# Altium PCB LC Agregation Boards v 1.1.PcbDoc
Units mm, origin at the board's own origin, x right, y up, seen from the top; angles counter-clockwise.
Board outline 40.19 x 30.2 mm, 2 copper layers (Top Layer, Bottom Layer); 5 components, 7 nets, 34 pads, 2 vias.
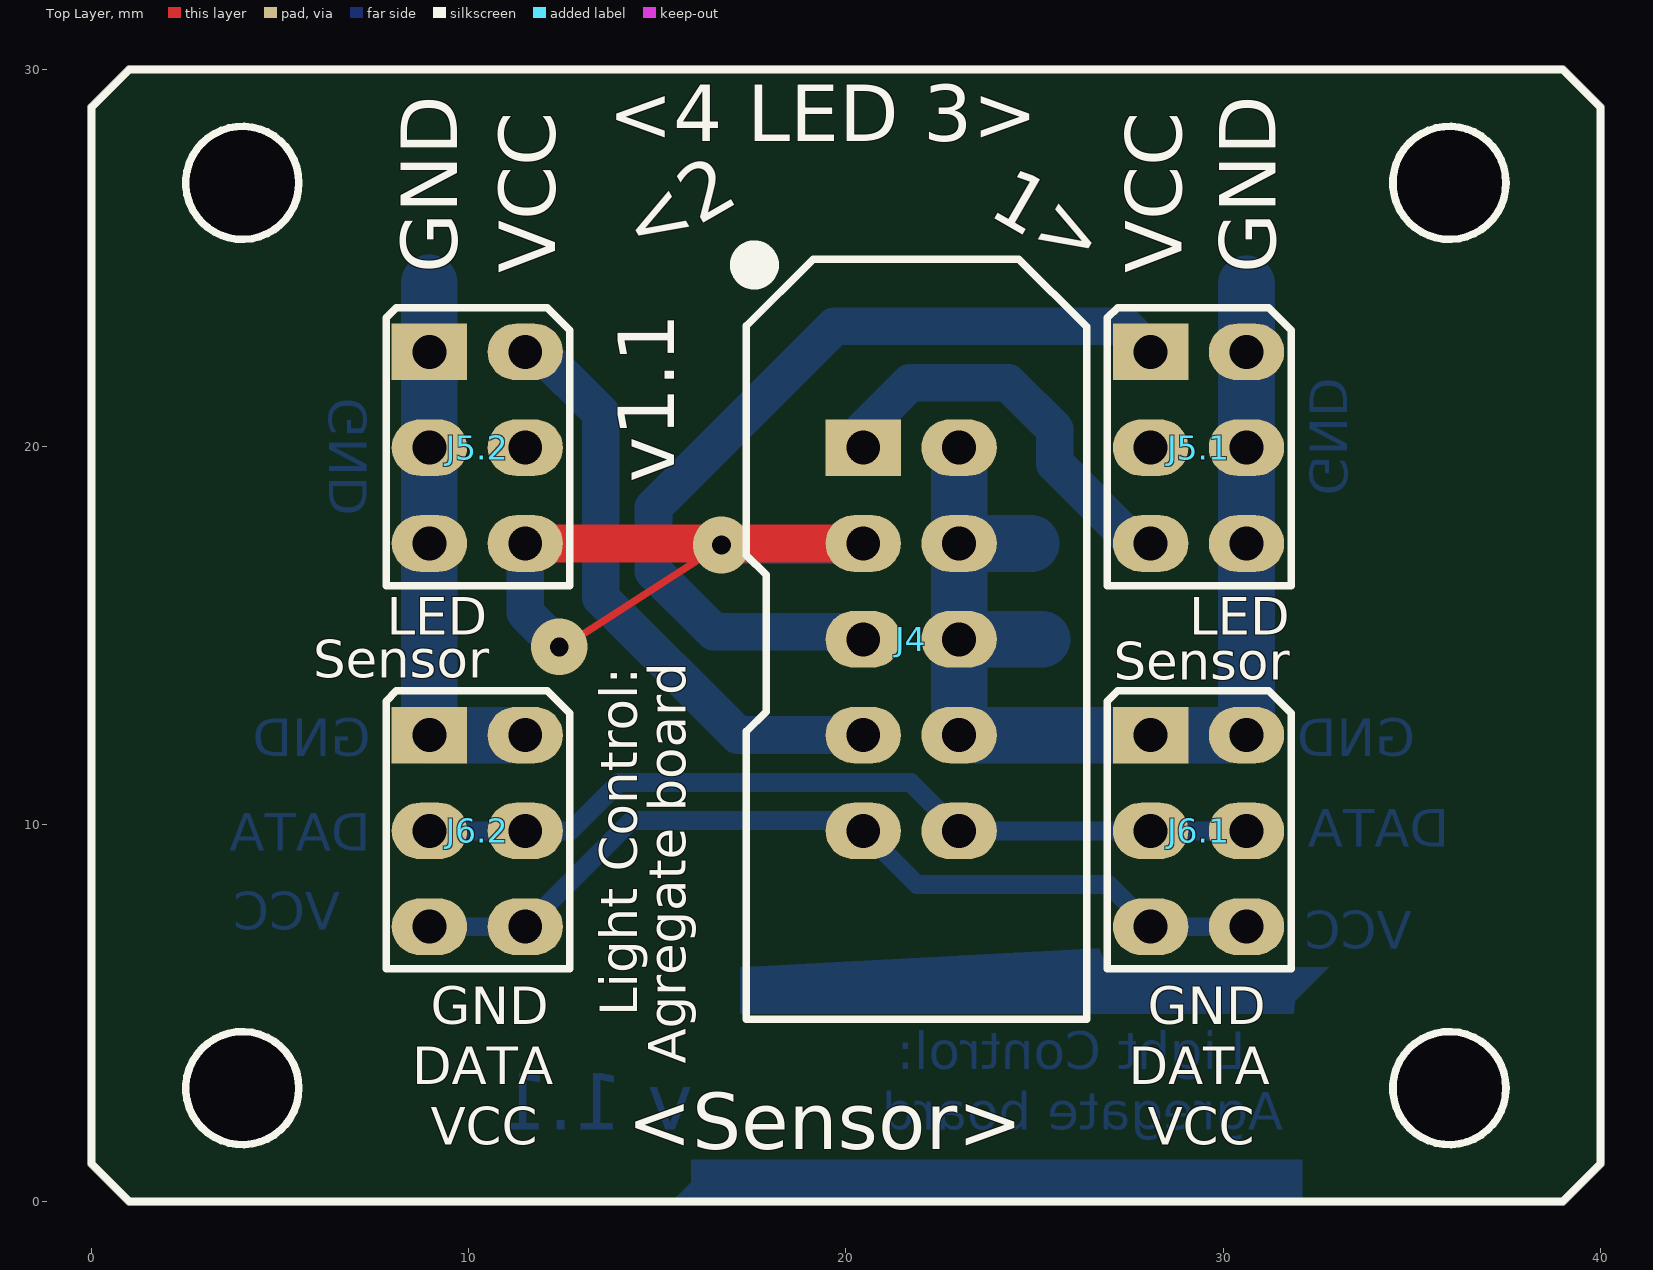
[diagram p0: Top Layer view]
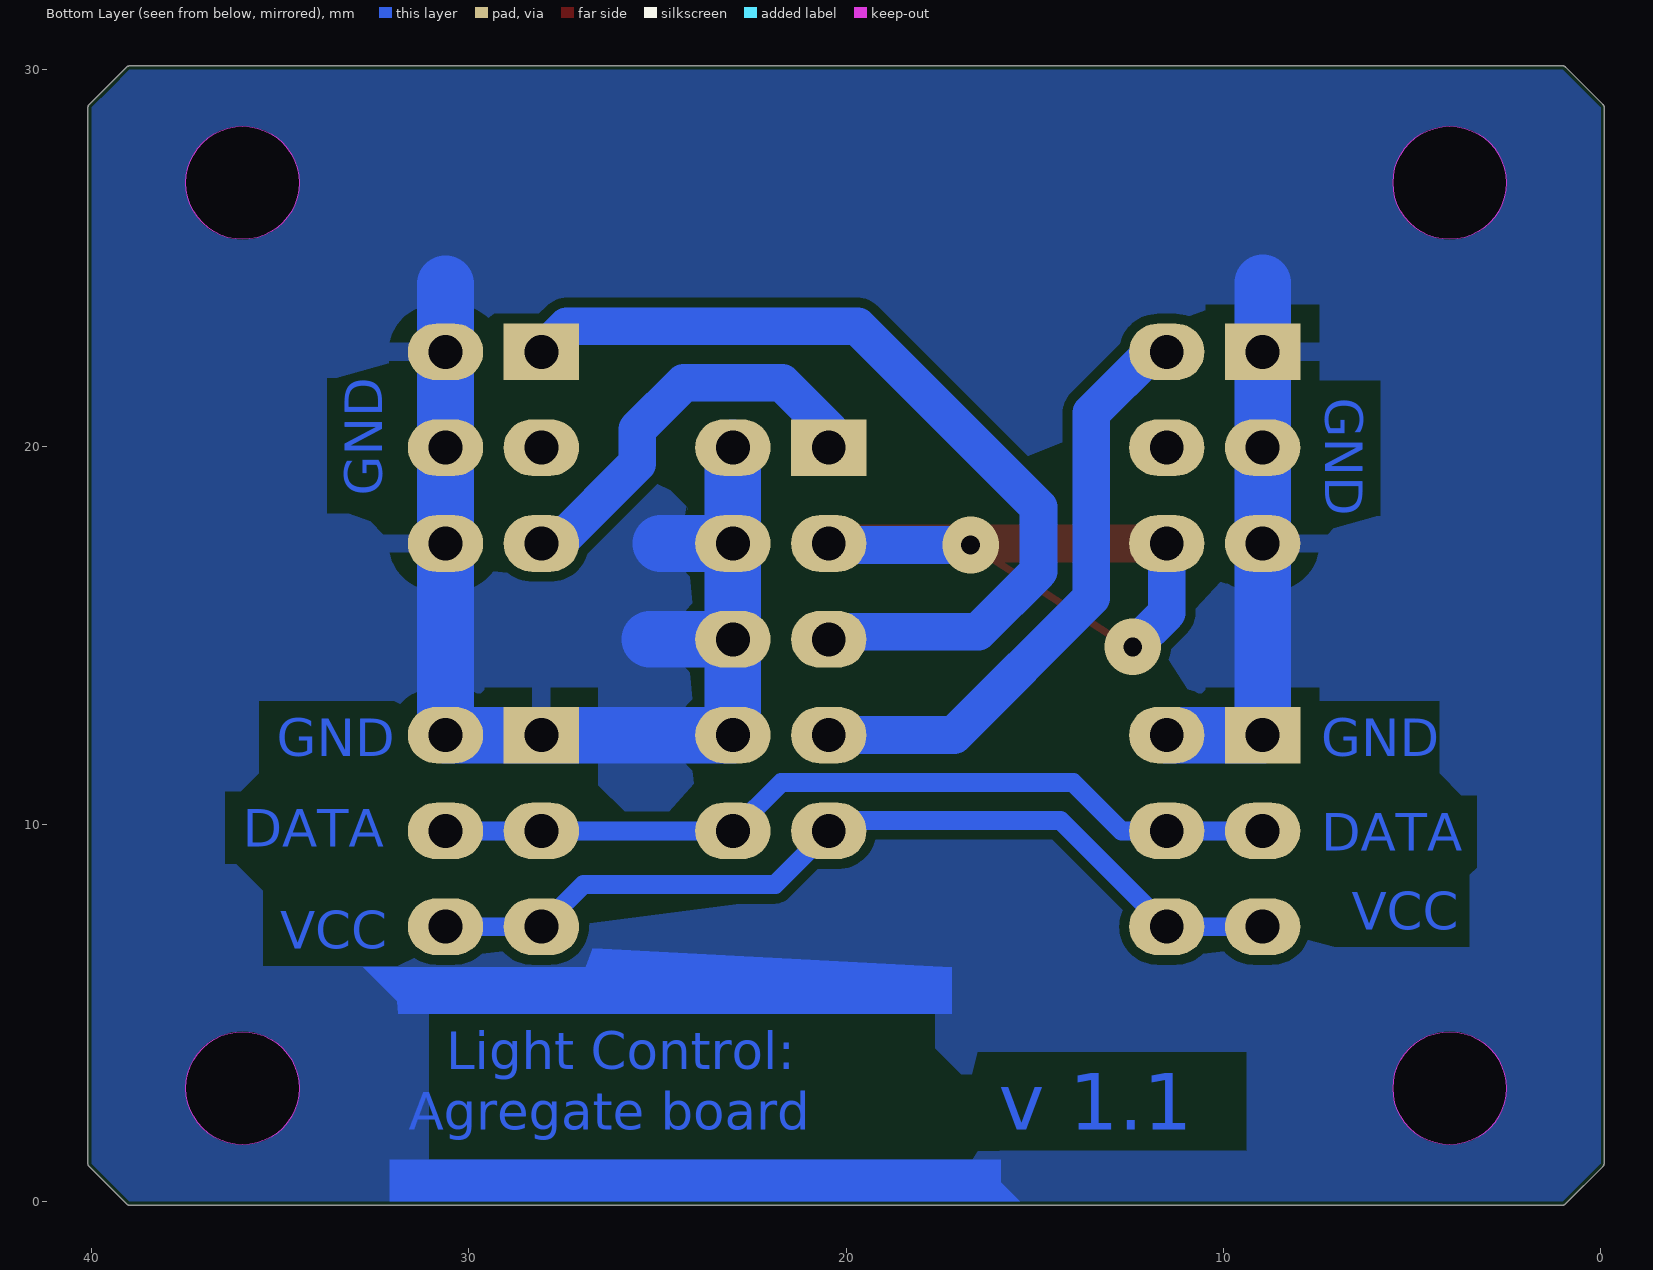
[diagram p1: Bottom Layer view, seen from below]
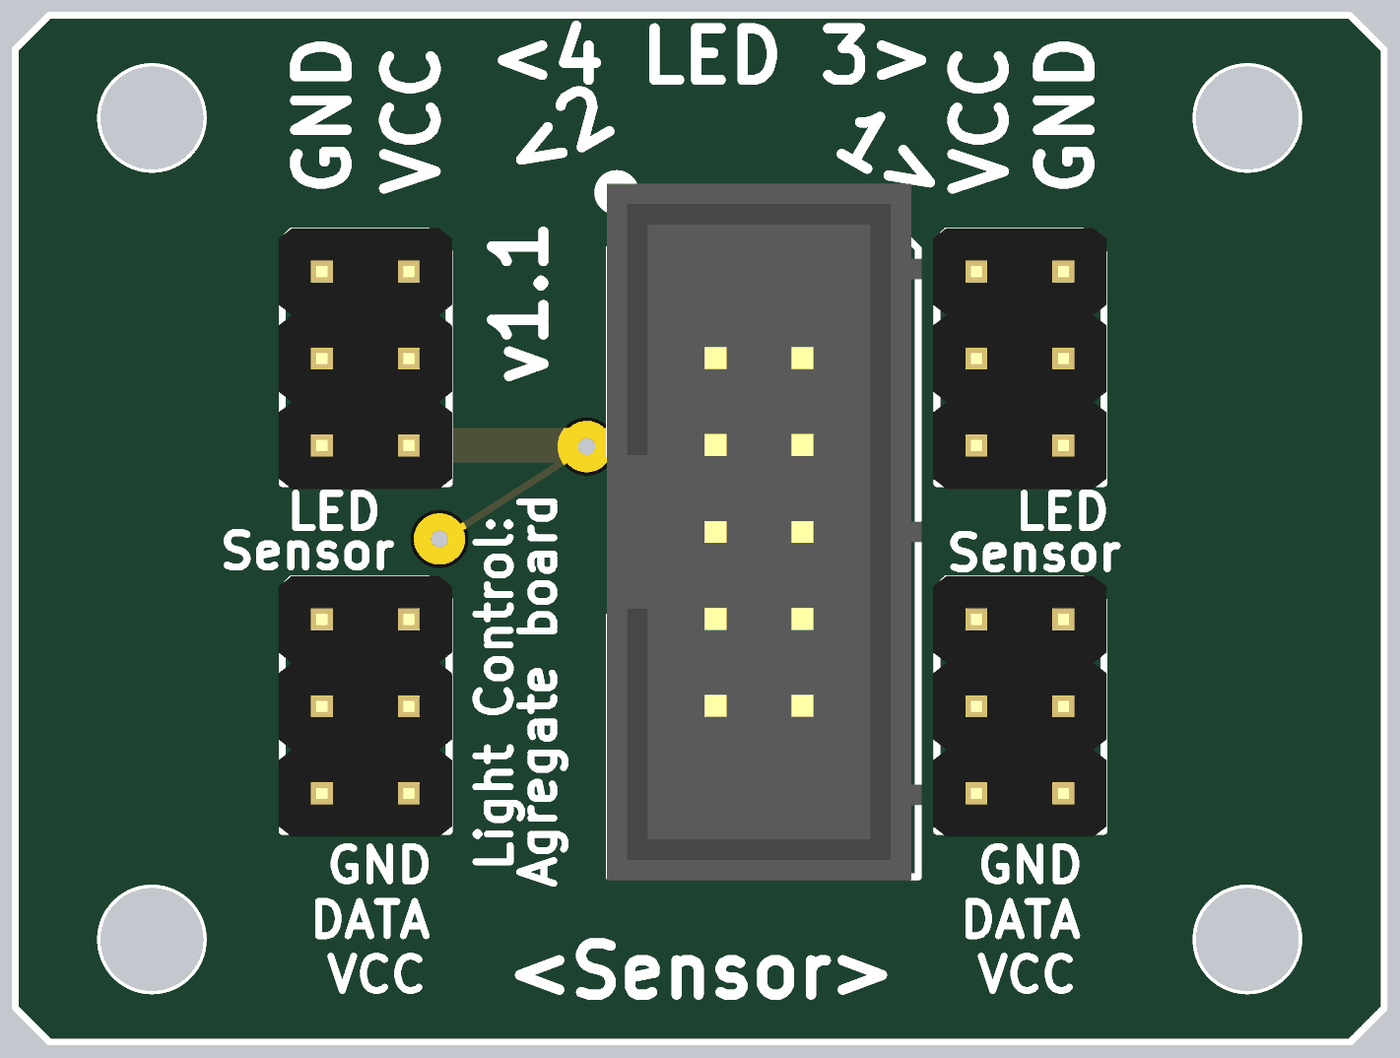
[diagram p2: 3D render of the assembled board from above, using the file's embedded part models]

## Layer stack, top to bottom
Top Solder: solder mask 0.0102, Solder Resist, Dk 3.5
Top Layer: signal copper 0.0356
Dielectric 1: dielectric 0.32, FR-4, Dk 4.8
Bottom Layer: signal copper 0.0356
Bottom Solder: solder mask 0.0102, Solder Resist, Dk 3.5

## Board outline
-0.065,0.927 0.935,-0.073 ccw(c1.006,-0.002) 1.006,-0.102 38.998,-0.102 ccw(c38.998,-0.002) 39.069,-0.073 40.058,0.916 ccw(c40,0.998) 40.1,0.998 40.1,29 ccw(c40,29) 40.071,29.071 39.071,30.071 ccw(c39,30) 39,30.1 1,30.1 ccw(c1,30) 0.929,30.071 -0.065,29.077 ccw(c0.006,29.006) -0.094,29.006 -0.094,0.998 ccw(c0.006,0.998)
cut-out: 34.5,27 ccw(c36,27) 36,25.5 ccw(c36,27) 37.5,27 ccw(c36,27) 36,28.5 ccw(c36,27)
cut-out: 2.5,3 ccw(c4,3) 4,1.5 ccw(c4,3) 5.5,3 ccw(c4,3) 4,4.5 ccw(c4,3)
cut-out: 34.5,3 ccw(c36,3) 36,1.5 ccw(c36,3) 37.5,3 ccw(c36,3) 36,4.5 ccw(c36,3)
cut-out: 2.5,27 ccw(c4,27) 4,25.5 ccw(c4,27) 5.5,27 ccw(c4,27) 4,28.5 ccw(c4,27)

## Design rules (kind name [scope] priority, off if disabled: settings)
Clearance [All] p1: gap=0.254
ComponentClearance [All] p1: gap=0.01 collisioncheckmode=3 verticalgap=0.2 showdistances=FALSE
Height [All] p1: minheight=0 maxheight=25 prefheight=12.7
HoleSize [All] p1: absolutevalues=TRUE maxlimit=3.2 minlimit=0.4 maxpercent=80.000 minpercent=20.000
HoleToHoleClearance [All] p1: gap=0.2 allowstackedmicrovias=TRUE
PlaneClearance [All] p1: clearance=0.5
PlaneConnect [All] p1: planeconnectstyle=Relief reliefexpansion=0.508 reliefentries=4 reliefconductorwidth=0.5 reliefairgap=0.5
PolygonConnect [All] p1: connectstyle=Relief reliefconductorwidth=0.5 reliefentries=4 polygonreliefangle="90 Angle" airgapwidth=0.5
RoutingVias [All] p1: holewidth=0.7 width=1.5 viastyle="Through Hole" minholewidth=0.4 minwidth=0.4 maxholewidth=3.2 maxwidth=7
SilkToSilkClearance [All] p1: silktosilkclearance=0.05
SilkToSolderMaskClearance [IsPad] p1: minsilkscreentomaskgap=0.2 clearancetoexposedcopper=TRUE
SolderMaskExpansion [All] p1: expansion=0.1
Width [All] p1: maxlimit=3 minlimit=0.2 preferedwidth=0.5
21 further rules are at their usual default settings.

## Components (designator, comment, footprint, x,y, rotation, side; value= is the part's Value field where it differs from the comment)
J4 "Connector" "LINE 2.54 x 10D (2 x 5) - BH" 20.46,19.98 r0 top
J5.1 "LED" "LINE 2.54 x 6D (2 x 3)" 28.08,22.52 r0 top
J5.2 "LED" "LINE 2.54 x 6D (2 x 3)" 8.96,22.52 r0 top
J6.1 "Sensor" "LINE 2.54 x 6D (2 x 3)" 28.08,12.36 r0 top
J6.2 "Sensor" "LINE 2.54 x 6D (2 x 3)" 8.96,12.36 r0 top

## Footprints (in the part's own frame and the unit in brackets; to place one, negate y for a bottom-side part, rotate by r counter-clockwise, add the part's x,y. Pads: shape width x height; smd on the part's side, far side on the other; paste and mask are expansions set on the pad)
"LINE 2.54 x 6D (2 x 3)" [mm]
  rect 2x1.5 hole 0.9: 1(0,0)
  oval 2x1.5 hole 0.9: 2(2.54,0) 3(0,-2.54) 4(2.54,-2.54) 5(0,-5.08) 6(2.54,-5.08)
  silkscreen extent -1.15,-6.2 3.72,1.17, body extent -1.27,-6.36 3.81,1.26, height 8.5
"LINE 2.54 x 10D (2 x 5) - BH" [mm]
  rect 2x1.5 hole 0.9: 1(0,0)
  oval 2x1.5 hole 0.9: 2(2.54,0) 3(0,-2.54) 4(2.54,-2.54) 5(0,-5.08) 6(2.54,-5.08) 7(0,-7.62) 8(2.54,-7.62) 9(0,-10.16) 10(2.54,-10.16)
  silkscreen extent -3.1,-15.15 5.92,5, body extent -3.17,-15.25 6.03,5.1, height 8.84

## Part data
J4: library part "PLD-10 (2 x 5)", "Vert, Dbl line, Male"
J5.1 J5.2 J6.1 J6.2: library part "PLD-6 (2 x 3)", "Vert, Dbl line, Male"

## Via types
v1: diameter 1.5, hole 0.5, Top Layer to Bottom Layer, 2 vias

## Nets (pads, with @x,y where several pads share a name; then routed paths per layer and width w, separated by ;. In a path a pad name is that pad's centre, name@x,y a point inside that pad or via, vN(x,y) a via of type N, cw(c..) or ccw(c..) an arc to the next point about the centre after c; other vN are vias at no path point)
"EL 1": J4.1 J5.1.5 | length 10.9
  Bottom Layer w1: J4.1 20.46,20.46 21.7,21.7 24.3,21.7 25.54,20.46 25.54,19.56 27.66,17.44 J5.1.5
"EL 2": J4.3 J5.2.6 | length 20.9
  Top Layer w0.2: v1@12.434,14.648 v1(16.7,17.4)
  Top Layer w1: J5.2.6 J4.3
  Bottom Layer w1: J5.2.6 11.5,15.6 v1(12.4,14.7) ; v1(16.7,17.4) J4.3@20.42,17.4
"EL 3": J4.5 J5.1.1 | length 23.5
  Bottom Layer w1: J4.5 20.26,15.1 16.5,15.1 14.9,16.7 14.9,18.4 19.7,23.2 27.4,23.2 J5.1.1
"EL 4": J4.7 J5.2.2 | length 16
  Bottom Layer w1: J5.2.2 11.88,22.52 13.5,20.9 13.5,16 17.14,12.36 J4.7
"ES 1": J4.9 J6.1.5 J6.1.6 J6.2.5 J6.2.6 | length 24
  Bottom Layer w0.5: J6.2.5 J6.2.6 14.32,10.1 20.18,10.1 J4.9 21.88,8.4 26.96,8.4 J6.1.5 J6.1.6
"ES 2": J4.10 J6.1.3 J6.1.4 J6.2.3 J6.2.4 | length 22.7
  Bottom Layer w0.5: J6.2.3 J6.2.4 12.7,9.82 13.98,11.1 21.72,11.1 J4.10 J6.1.3 J6.1.4
GND: J4.2 J4.4 J4.6 J4.8 J5.1.2 J5.1.4 J5.1.6 J5.2.1 J5.2.3 J5.2.5 J6.1.1 J6.1.2 J6.2.1 J6.2.2 | length 45.8
  Bottom Layer w1.5: 8.96,24.35 J5.2.3 J5.2.5 J6.2.1 J6.2.2 ; J4.2 J4.4 ; 24.915,17.44 J4.4 ; 25.2,14.9 J4.6 ; 30.62,24.325 J5.1.4 J5.1.6 J6.1.2 J6.1.1 J4.8 J4.6 ; J4.6 J4.4
pads on no net: J5.1.3 J5.2.4

## Polygon pours and split planes (outlines as drawn)
GND on Bottom Layer "Top Layer-No Net" (solid, pour order 4): 40,0 40,30 0,30 0,0 40,0

## Other copper
Top Layer:
  text ".Layer_Name" at 25.75,35.2 h1
Bottom Layer:
  pour cut-out: 0.006,29.006 1,30 0,30
  pour cut-out: 39,30 40,30 40,29
  pour cut-out: 40,1 39,0 40,0
  pour cut-out: 1.006,-0.002 0.006,0.998 0,0.992 0,0
  region net GND: 15.9,1.1 32.1,1.1 32.1,0 15.4,0 15.9,0.5
  region net GND: 31.875,4.975 31.9,5.3 32.8,6.2 26.9,6.2 26.715,6.712 17.2,6.2 17.2,4.975
  text ".Layer_Name" at 15.15,35.3 h1
  text "GND" at 7.3,21.3 h1 r90
  text "GND" at 32.3,18.7 h1 r270
  text "GND" at 7.4,11.8 h1
  text "GND" at 35.1,11.8 h1
  text "DATA" at 36,9.4 h1
  text "DATA" at 7.4,9.3 h1
  text "VCC" at 6.6,7.2 h1
  text "VCC" at 35,6.7 h1
  text "Light Control:" at 30.6,3.5 h1
  text "v 1.1" at 15.95,1.9 h1.5
  text "Agregate board" at 31.6,1.9 h1

## Silkscreen, mask and mechanical layers (free items; w line width, h text height)
Top Overlay:
  circle w0.2: c4,3 r1.5
  circle w0.2: c36,3 r1.5
  circle w0.2: c36,27 r1.5
  circle w0.2: c4,27 r1.5
  circle w1: c17.575,24.825 r0.15
  lines w0.2: 40,0.998 40,29 39,30 1,30 0.006,29.006 0.006,0.998 1.006,-0.002 38.998,-0.002 39,0 40,1
  text ".Layer_Name" at 25.75,35.2 h1
  text "<4 LED 3>" at 13.7,28.1 h1.5
  text "1>" at 23.725,26.175 h1.5 r330
  text "<2" at 14.6,25 h1.5 r30
  text "GND" at 9.7,24.6 h1.5 r90
  text "VCC" at 12.3,24.6 h1.5 r90
  text "VCC" at 28.9,24.6 h1.5 r90
  text "GND" at 31.4,24.6 h1.5 r90
  text "v1.1" at 15.45,19.05 h1.5 r90
  text "Light Control:" at 14.475,4.9 h1 r90
  text "GND" at 9,4.7 h1
  text "GND" at 28,4.7 h1
  text "Agregate board" at 15.75,3.65 h1 r90
  text "DATA" at 8.5,3.1 h1
  text "DATA" at 27.5,3.1 h1
  text "VCC" at 9,1.5 h1
  text "VCC" at 28,1.5 h1
  text "<Sensor>" at 14.2,1.375 h1.5
Bottom Overlay:
  text ".Layer_Name" at 15.15,35.3 h1
Top Solder:
  text ".Layer_Name" at 25.75,35.2 h1
Bottom Solder:
  text ".Layer_Name" at 15.15,35.3 h1
Mechanical 2:
  text "30 x 40 mm" at 1,35.25 h1
  text "LightControl - Aggregate Board" at 0.975,33.475 h1
  text "v 1.1" at 35.4,31.475 h1
  text ".Pcb_File_Name_No_Path" at 0.925,31.425 h1
Mechanical 3:
  text "30 x 40 mm" at 40,35.25 h1
  text "LightControl - Aggregate Board" at 39.975,33.475 h1
  text "v 1.1" at 4.875,31.475 h1
  text ".Pcb_File_Name_No_Path" at 39.925,31.425 h1

## Dimensions
0,0 to 40,-1 on Mechanical 3
-1,30 to 0,0 on Mechanical 3
-1,30 to 0,0 on Mechanical 2
0,0 to 40,-1 on Mechanical 2